# KiCad board iMX6_BareBones.kicad_pcb (continued)
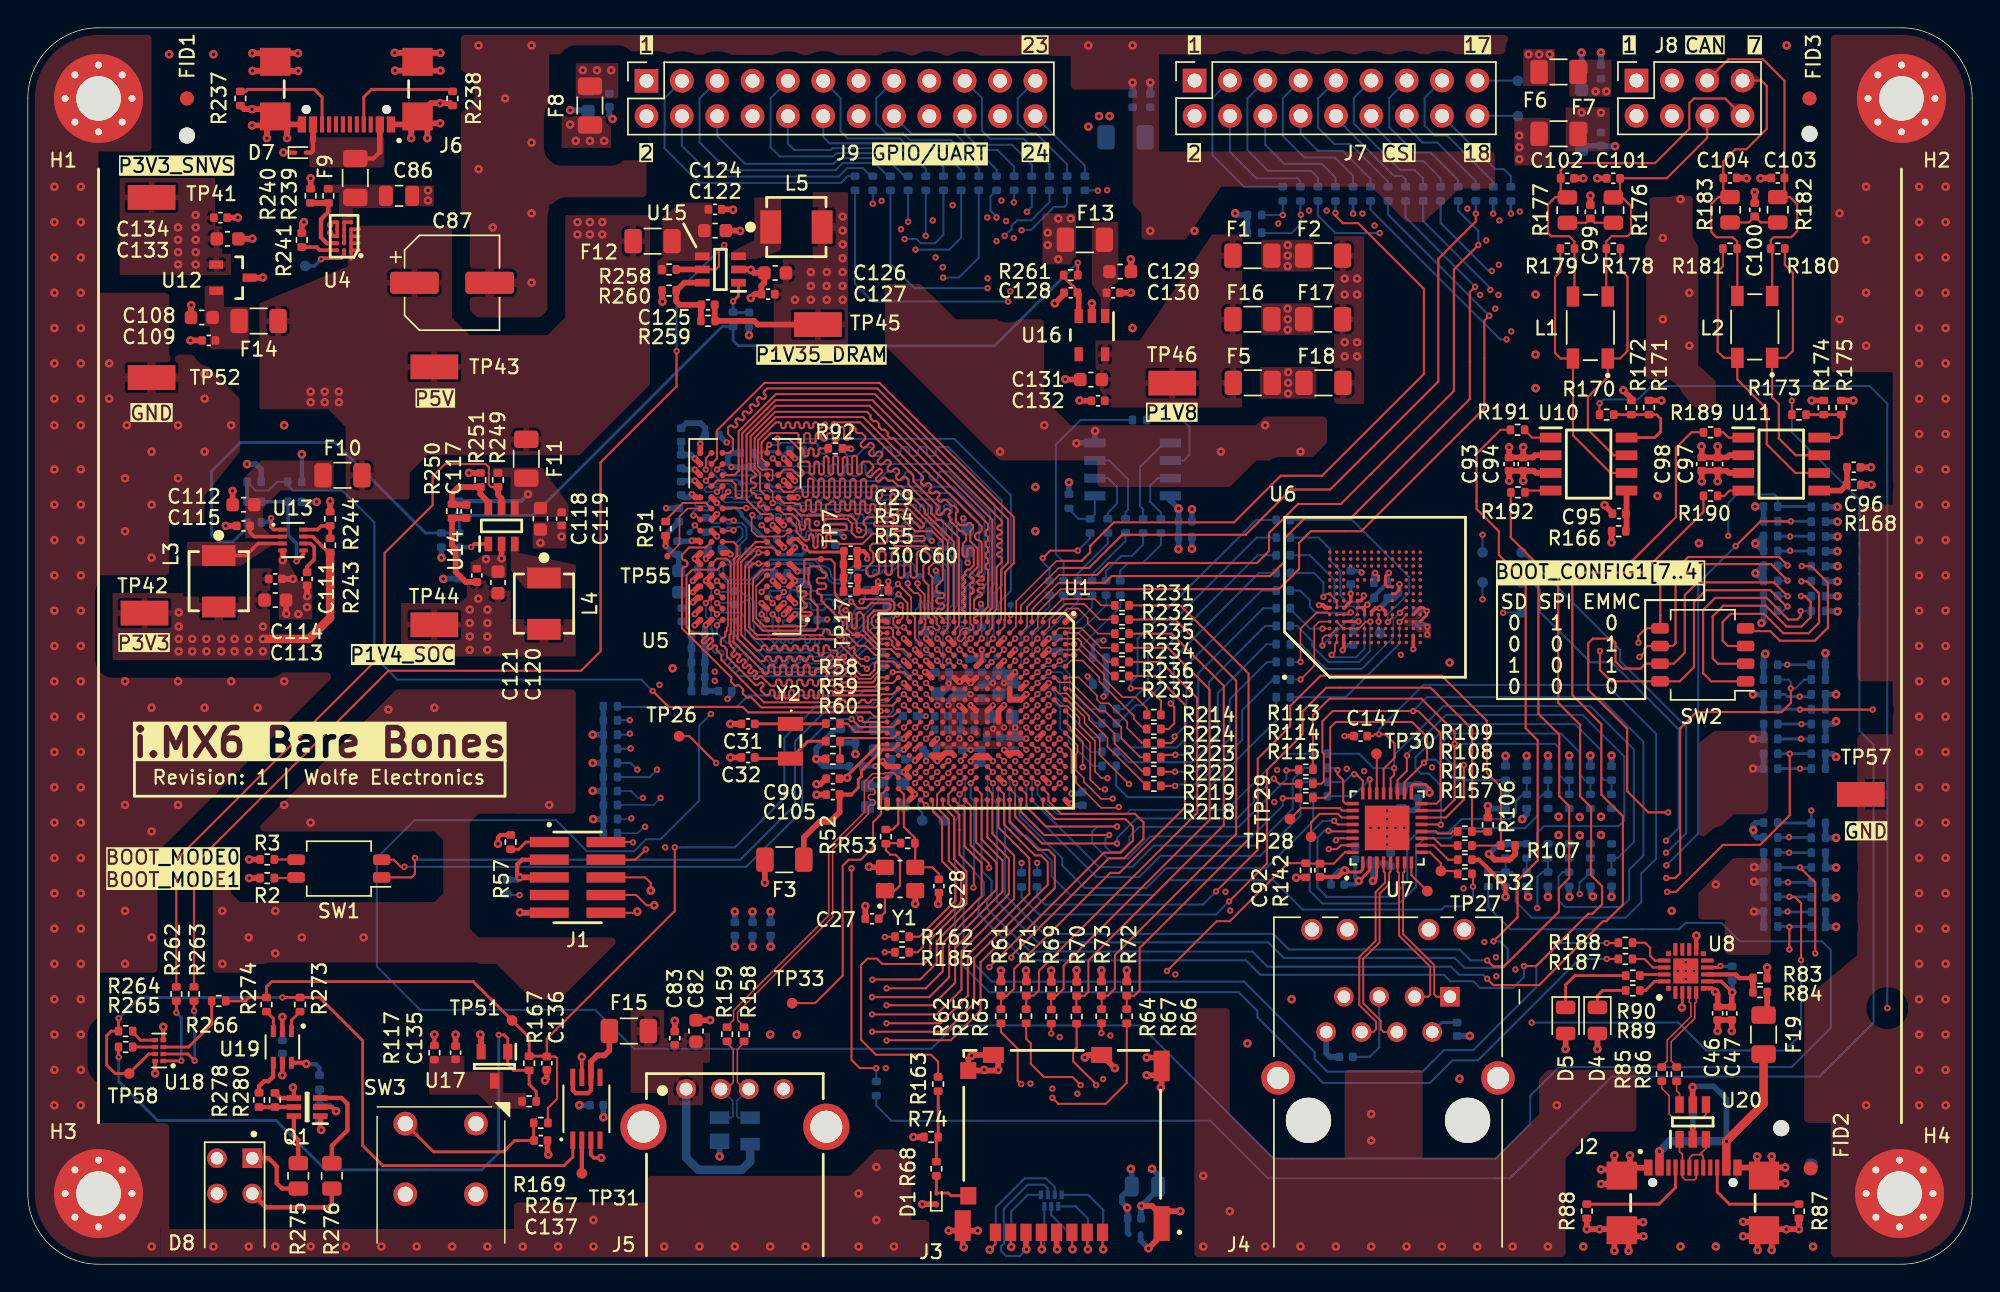
[diagram p0: board, top side]
## Routing (per net, layer and track width the routed paths; a pad name or vN(x,y) marks a point on that pad's centre or on a via; arc(x,y) is an arc through that point) (continued)
P1V4_SOC: length 8.5
  Top w0.406: C117.2 31.49,53.64 R250.2 30.48,51.69 30.73,51.44 30.73,49.78 31.47,49.05 C121.1 ; v3(66.93,40.17) 66.96,40.17 U1.K9 ; v3(69.34,40.19) U1.H9 ; v1(67.74,40.19) U1.J9
  Bottom w0.406: 69.23,39.41 69.26,39.38
  vias: v1(67.74,37.79) v2(31.75,47.07) v2(31.75,46.1) v2(31.75,45.14) v2(31.75,44.17) v2(32.36,47.85) v2(33.02,47.07) v2(33.02,46.1) v2(33.02,45.14) v2(33.02,44.17)
P1V8_EMMC_IO: length 3.4
  Top w0.254: v1(95.05,48.21) 95.05,47.65 94.6,47.2 U6.C6
  Bottom w0.254: v1(95.05,48.21) C40.1
  Bottom w0.305: C41.1 100.35,46.03 v1(100.56,45.82) v1(100.56,45.26)
  vias: v2(90.55,64.13) v2(90.55,63.37) v2(90.55,62.61)
P1V35_DRAM: length 44
  Top w0.305: v1(61.83,49.08) 61.83,49.08 C60.2 ; C29.1 60.06,51.27 60.31,51.02 v1(60.31,50.74)
  Top w0.406: U5.A8 v1(48.72,45.94) ; v1(50.48,51.04) 50.38,51.14 U5.G7 ; U5.E9 48.2,49.54 v1(47.78,49.12) ; U1.J6 v1(67.74,41.79) U1.K6 67,41.85 66.98,41.85 v1(66.94,41.88) 66.9,41.85 66.88,41.85 U1.L6 ; U5.D9 48.2,48.74 v1(47.78,48.32) ; U5.C1 v1(55.12,47.54) ; U5.D2 v1(53.52,49.14) ; U5.A1 v1(55.12,46.74) ; U5.H2 v1(54.32,51.54) ; U5.N9 v1(47.92,56.34) ; U5.H9 48.22,52.03 v1(47.71,52.03) ; U5.B2 v1(54.32,47.54) ; C29.1 59.59,50.33 59.62,50.3 ; C125.2 49.35,67.86 R259.2 52.19,67.83 52.45,67.56 TP45.1 ; v1(47.78,47.59) 48.13,47.94 U5.C9 ; U5.K8 v1(49.52,53.94) ; U5.R1 v1(54.32,57.94) ; U5.K2 v1(54.32,53.14) ; v1(55.3,49.82) 54.79,50.34 U5.F1 ; U5.R9 v1(47.92,57.94) ; U5.N1 v1(54.32,56.34)
  Bottom w0.203: 52.91,57.37 C66.2 ; 52.15,58.14 C65.2 52.59,58.33 52.68,58.42 53.92,58.42 54.32,58.02 v1(54.32,57.94)
  Bottom w0.305: 52.15,58.14 52.91,57.37
  Bottom w0.406: 46.89,52 46.92,51.98 47.71,51.98 ; 53.55,49.69 53.55,49.17 v1(53.52,49.14) ; C67.2 C72.2 47.63,58.2 47.9,57.94 v1(47.92,57.94) ; C58.2 55.37,46.74 v1(55.12,46.74) ; v1(67.52,50.43) C1.1 ; C68.2 53.83,52.02 v1(54.32,51.54) ; v1(50.48,51.04) 50.1,51.42 C69.2 ; v1(50.22,59.09) 50.17,59.09 C64.2 ; v1(48.72,45.94) 48.64,45.86 C11.1 C13.1 ; C62.2 47.01,56.34 v1(47.92,56.34) ; v1(55.3,49.82) 55.33,49.84 C53.2 ; C52.2 54.32,58.1 v1(54.32,57.94)
  vias: v1(49.36,42.61) v1(49.36,41.95) v2(55.12,69.34) v2(56.26,71.34) v2(56.26,70.34) v2(56.26,69.34) v2(57.4,71.34) v2(57.4,70.34) v2(57.4,69.34) v2(58.55,75.33) v2(58.55,74.33) v2(58.55,73.33) v2(58.55,72.34) v2(58.55,71.34) v2(58.55,70.34) v2(58.55,69.34)
P3V3: length 113.8
  Top w0.203: v1(97.79,49.71) 97.54,49.46 U6.J10 97.54,48.86 97.7,48.7 U6.K9 ; 96.04,47.02 95.86,47.2 95.83,47.2 ; 96.04,47.02 U6.F5 ; 96.04,47.02 96.04,47.23 v1(96.24,47.42) 96.02,47.2 95.83,47.2 ; v2(100.71,33.91) 100.71,34.21 100.43,34.49 99.54,34.49 99.41,34.36 U7.17 ; U7.3 96.91,27.82 v2(96.65,27.56) ; 95.83,47.2 U6.E6
  Top w0.254: U13.7 20.46,52.32 21.6,51.18 21.72,51.18 ; v2(122.45,19.56) 121.68,20.33 U8.7
  Top w0.305: R57.1 33.96,30.86 33.78,30.68 v2(33.78,30.23) ; R117.2 v2(29.21,16.51) ; 67.95,36.39 67.95,36.39 69.12,36.39 ; 67.95,36.39 67.74,36.19 v1(67.74,36.17) ; 67.95,36.39 U1.J13 U1.H13 68.94,36.57 69.12,36.39 ; 69.12,36.39 v1(69.34,36.17) ; R142.2 91.16,27.81 v2(91.14,27.79) ; U8.6 120.99,19.83 v2(121.23,19.58) ; U19.5 v2(18.29,13.59) ; U18.8 v2(9.14,13.72)
  Top w0.406: U1.C4 v1(73.34,44.19) ; v2(73.52,21.11) 73.53,21.1 73.53,20.32 ; U1.M13 65.34,36.19 v1(65.34,36.17) 64.94,36.57 U1.N13 U1.M13 ; U1.M13 65.93,36.77 66.36,36.77 U1.L13 ; R106.2 v2(104.9,32.94) ; R172.2 117.37,62.11 v2(117.37,62.1) ; v2(77.13,21.13) 77.15,21.11 77.15,20.32 ; R107.2 106.86,29.47 106.48,29.08 105.38,29.08 v2(104.98,29.49) ; v2(15.91,29.1) 15.91,29.1 R3.1 ; 38.99,81.91 v2(38.96,81.94) ; R74.2 v2(63.63,9.14) ; v2(121.23,19.58) 121.41,19.41 C46.2 C47.2 122.43,19.53 v2(122.45,19.56) ; v2(73.96,1.07) 73.92,1.11 J3.P4 ; R61.2 v2(69.92,21.11) ; D4.2 v2(112.78,15.47) ; D5.2 v2(110.49,15.47) ; R174.2 131.16,62.11 v2(131.17,62.1) ; R2.1 v2(15.9,27.76) ; v1(70.14,36.99) U1.F13 70.73,36.77 71.16,36.77 U1.E13 ; R166.1 113.79,51.89 v2(113.79,51.89) ; 71.72,20.32 71.72,21.1 v2(71.72,21.11) ; R168.1 v2(132.46,56.03) ; 75.34,20.32 75.34,21.12 v2(75.35,21.13) ; R72.2 v2(78.96,21.13)
  Top w0.61: v2(16.89,44.96) 20.19,44.96 21.72,46.48 21.72,51.05
  Bottom w0.203: 66.13,36.95 v1(65.34,36.17)
  Bottom w0.305: C146.2 v2(18.29,13.59) ; C42.2 96.73,48.04 C43.2 96.72,47.9 v1(96.24,47.42) ; C9.1 60.88,35.79 v1(60.91,35.81) ; 68.45,35.97 C6.1 67.88,36.03 v1(67.74,36.17)
  Bottom w0.406: C44.2 73.45,44.08 v1(73.34,44.19) ; v2(129.92,24.26) R20.1 129.16,24.26 R21.1 ; R75.2 v2(74.8,56.21) ; 111.43,32.23 v2(111.51,32.16) ; R27.1 R26.1 v2(129.92,30.66) ; C34.1 v2(53.37,25.35) ; v2(96.65,27.56) C77.1 97.7,28.82 C78.1 ; v1(70.14,36.99) 70.18,36.95 C88.2 ; v2(79.25,6.86) 79.31,6.79 C36.1 78.61,4.89 78.61,4.44 v2(78.99,4.06) 79.02,4.04 C35.1 79.02,2.25 D2.2 ; 110.03,32.23 v2(109.98,32.18) ; v2(129.92,36.47) 129.69,36.7 R13.1 R12.1 ; R11.1 v2(130.02,54.46) ; v2(129.92,39.04) 129.72,38.84 R15.1 R14.1 ; R5.1 v2(130.02,48.03) ; C76.1 98.98,34.48 C75.1 100.14,34.48 v2(100.71,33.91) ; v2(129.92,26.37) 129.9,26.39 R22.1 R23.1 ; C84.2 v2(52.07,25.35) ; v1(97.79,49.71) 97.69,49.6 C42.2 ; 66.13,36.99 66.13,36.95 ; R8.1 v2(130.02,51.26) ; R7.1 v2(130.02,50.19) ; v2(129.16,43.94) 129.16,43.94 R18.1 ; 86.87,75.44 R271.2 R272.2 ; R9.1 v2(130.02,52.32) ; R138.2 R140.2 105.71,30.22 v2(104.98,29.49) ; v2(129.92,28.52) R24.1 R25.1 ; R82.2 v2(122.45,19.56) ; v2(104.9,32.94) 105.08,32.77 R122.2 ; U3.8 82.09,54.92 v2(82.68,54.33) 82.68,53.42 C38.1 C37.1 82.68,51.41 v2(82.68,51.41) ; v2(130.02,46.94) 130,46.96 R4.1 ; R6.1 v2(130.02,49.1) ; R16.1 129.16,40.96 R17.1 v2(129.92,40.97) ; R120.2 107.7,32.33 v2(107.37,32) ; C91.2 75.64,33.83 v1(74.98,33.83) ; R10.1 v2(130.02,53.39) ; C85.2 v2(50.8,25.35)
  Bottom w0.61: 82.68,54.33 v2(82.68,54.33)
  vias: v2(10.85,46.86) v2(10.85,45.85) v2(10.85,44.96) v2(10.85,44.07) v2(11.81,44.96) v2(11.81,44.07) v2(12.83,44.96) v2(12.83,44.07) v2(13.89,44.96) v2(13.89,44.07) v2(14.86,44.96) v2(14.86,44.07) v2(15.88,44.96) v2(15.88,44.07) v2(16.89,45.85) v2(16.89,44.07) v2(39.37,80.77) v2(40.39,80.77) v2(41.4,80.77) v2(73.28,74.17) v2(73.28,73.28) v2(74.04,75.18) v2(74.04,72.26) v2(74.93,75.18) v2(76.2,81.79) v2(76.96,82.55) v2(77.72,82.55) v2(86.74,75.57) v2(94.61,70.87) v2(94.61,69.72) v2(94.61,66.29) v2(94.61,65.28) v2(95.5,70.87) v2(95.5,69.72) v2(95.5,66.29) v2(95.5,65.28) v2(107.82,87) v2(108.59,87) v2(109.35,87) v2(109.98,30.86) v2(111.51,30.84) v2(113.03,32.18) v2(113.03,30.86)
P3V3_CAN:
  vias: v2(112.65,84.33) v2(113.41,84.33)
P3V3_EXT:
  vias: v2(39.88,85.85) v2(40.89,85.85) v2(41.91,85.85)
P3V3_SNVS: length 2.4
  Top w0.305: U1.P12 64.1,37.39 v4(63.71,37)
  Bottom w0.406: C14.1 59.41,37.49 R282.1 59.46,37.44 v2(59.46,36.68)
  vias: v2(10.79,74.55) v2(10.79,73.66) v2(10.79,72.77) v2(10.79,71.88) v2(12.06,75.44) v2(12.06,74.55) v2(12.06,73.66) v2(12.06,72.77) v2(12.06,71.88)
P5V: length 23.8
  Top w0.203: v2(58.88,34.97) 58.88,35.13 61.14,37.39 U1.U12
  Top w0.254: 23.81,74.41 U4.D1 U4.A1 ; 23.8,72.92 23.79,72.91 U4.A1 ; 23.77,73.43 23.76,73.41 U4.B1 ; U4.A1 23.22,72.28 ; U9.7 39.81,14.9 v2(39.8,14.91) ; U4.C1 23.77,73.91
  Top w0.305: v2(58.88,34.97) 58.88,34.92 58.88,34.91 C105.2
  Top w0.406: C94.1 C93.1 106.43,56.34 v2(106.44,56.33) ; C94.1 v2(107.44,56.34) ; C94.1 108.2,57.05 108.36,56.9 U10.3 ; v2(52.96,27.43) 52.96,29.08 F3.2 ; C98.1 v2(120.27,56.29) ; C97.1 v2(121.41,56.3) ; C97.1 120.4,57.05 ; C97.1 122.07,57.05 122.22,56.9 U11.3
  Bottom w0.305: R246.2 19.68,56.26 v2(19.68,58.24)
  Bottom w0.406: C81.2 v2(39.62,11.43)
  vias: v2(20.32,62.74) v2(20.32,61.98) v2(21.34,62.74) v2(21.34,61.98) v2(22.35,62.74) v2(22.35,61.98) v2(39.5,74.93) v2(39.5,74.04) v2(40.39,74.93) v2(40.39,74.04) v2(41.28,74.93) v2(41.28,74.04) v2(107.16,81.15) v2(107.16,80.31) v2(107.16,79.45)
P5V_BUCK1V4_VIN: length 5.2
  Bottom w0.305: R252.2 35.43,54.87 v2(35.94,55.37)
P5V_BUCK3V3_VIN: length 2.9
  Top w0.254: U13.2 16.26,52.32 15.97,52.61 C115.1
P5V_CAN:
  vias: v2(111.63,82.8) v2(113.03,82.8)
P5V_DEBUG: length 1.8
  Top w0.406: F19.1 124.97,18.17 R84.2
P5V_DEBUG_VBUS: length 23.6
  Top w0.406: v2(119.61,12.73) 119.61,11.5 U20.5
  Top w0.61: F19.2 124.71,11.53 122.03,8.85 J2.B4/A9 ; v2(117.23,8.1) J2.A4/B9
  Bottom w0.406: v2(122.05,8.84) 122.05,11.87 121.13,12.79 119.67,12.79 v2(119.61,12.73) 119.63,12.7 C150.2
  Bottom w0.61: v2(117.23,8.1) 117.25,8.1 117.98,8.84 v2(122.05,8.84)
P5V_USB_HOST: length 11.4
  Bottom w0.61: J5.1 47.3,7.67 48.18,6.78 51.28,6.78 51.9,7.4 D6.4
P5V_USB_HOST_LS: length 7.5
  Top w0.305: U9.6 40.46,12.52 40.23,12.29 39.37,12.29 39.16,12.51 U9.8
  Top w0.406: F15.2 41.78,15.36 41.43,15.01 40.92,15.01 40.46,14.55 U9.6
P5V_USB_OTG1: length 12.5
  Top w0.203: 59.17,33.77 59.66,34.26 59.66,34.85 59.89,35.08 59.89,35.48 61.39,36.98 62.14,36.98 U1.T12
  Top w0.305: C90.2 59.17,33.77
  Top w0.406: F3.1 55.76,30.69 56.87,31.8 57.63,31.8 58.32,32.49 C90.2
P5V_VBUS: length 6.4
  Top w0.305: 20.49,80.78 20.49,80.08 20.34,79.93 D7.2 ; 25.29,79.96 24.83,79.5 F9.2
  Top w0.406: J6.B4/A9 20.49,80.78 ; J6.A4/B9 25.29,79.96
P5V_VBUS_OVLO: length 2
  Top w0.254: U4.B2 U4.E2 U4.E1
/Signal_Map/BootMode/BOOT_MODE0: length 44.7
  Top w0.152: SW1.2 26.29,29.08 26.8,28.58 v1(27.05,28.58) ; U1.T10 62.18,38.62 59.76,38.62 v1(59.19,39.19)
  Bottom w0.152: v1(59.19,39.19) 59.18,39.18 57.73,39.18 55.63,37.08 55.63,32.59 51.61,28.58 v1(27.05,28.58)
/Signal_Map/BootMode/BOOT_MODE1: length 45
  Top w0.152: v1(27.81,29.21) 27.81,28.07 27.56,27.81 SW1.1 ; U1.U10 60.96,38.99 60.96,38.99 60.05,38.99 v1(59.82,39.22)
  Bottom w0.152: v1(27.81,29.21) 27.94,29.08 51.18,29.08 55.12,33.02 55.12,37.59 57.28,39.75 59.28,39.75 v1(59.82,39.22)
/Signal_Map/BootMode/LCD_DATA00: length 65.5
  Top w0.114: v1(73.34,39.39) U1.B9
  In3.Cu w0.114: 74.65,39.52 74.52,39.39 v1(73.34,39.39)
  In3.Cu w0.152: v1(122.17,52.37) 113.21,43.41 113.21,42.04 111.41,40.23 89.41,40.23 88.72,40.92 81.15,40.92 80.49,40.26 75.39,40.26 74.65,39.52
  Bottom w0.152: v1(122.17,52.37) 122.17,54.74 122.78,55.35 125.5,55.35 125.73,55.12 R28.2 ; 128.12,54.48 R11.2
  Bottom w0.203: R28.2 128.12,54.48
/Signal_Map/BootMode/LCD_DATA01: length 91.7
  Top w0.114: U1.A9 75.23,39.09 75.23,38.58 76.33,37.49 76.33,34.85 77.04,34.14 v1(77.39,34.14)
  Top w0.152: v1(126.67,53.42) 124.49,53.42 v1(122.71,51.64)
  In3.Cu w0.114: v1(77.39,34.14) 78.82,34.14 78.94,34.01 79.15,34.01 80.29,32.87 80.29,32.74 80.42,32.61
  In3.Cu w0.152: v1(117.73,28.68) 117.3,28.68 114.02,25.4 112.17,25.4 108.76,22 106.68,22 105.89,21.21 92.68,21.21 89.99,23.9 89.99,30.15 89.18,30.96 82.07,30.96 80.42,32.61
  Bottom w0.152: v1(122.71,51.64) 120.01,48.95 120.01,30.96 v1(117.73,28.68)
  Bottom w0.203: R10.2 128.11,53.42 R29.2
/Signal_Map/BootMode/LCD_DATA02: length 71
  Top w0.114: U1.E10 v1(71.74,39.39)
  In3.Cu w0.114: 79.6,44.98 78,44.98 77.65,45.34 76.86,45.34 76.5,44.98 74.6,44.98 73.74,44.12 73.74,43.18 73.51,42.96 71.53,42.96 71.35,42.78 71.35,42.4 70.97,42.01 70.97,39.83 71.41,39.39 v1(71.74,39.39)
  In3.Cu w0.152: v1(126.62,52.32) 125.12,53.82 102.97,53.82 100.58,51.44 100.58,49.66 99.14,48.21 99.14,45.67 98.7,45.24 80.14,45.24 79.88,44.98 79.6,44.98
  Bottom w0.152: v1(126.62,52.32) 126.64,52.35 ; 125.76,52.32 R30.2 ; 128.12,52.35 R9.2
  Bottom w0.203: R30.2 128.12,52.35
/Signal_Map/BootMode/LCD_DATA03: length 70.4
  Top w0.114: U1.D10 v1(72.54,39.39)
  In3.Cu w0.114: v1(72.54,39.39) 72.54,39.42 72.16,39.8 72.16,39.8 71.55,39.8 71.3,40.06 71.3,41.9 71.58,42.18 73.65,42.18 74.73,43.26 74.73,44.02 74.91,44.2 75.85,44.2 75.95,44.3 80.09,44.3
  In3.Cu w0.152: v1(126.62,51.31) 124.71,53.21 103.38,53.21 101.27,51.1 101.27,49.02 99.75,47.5 99.75,45.44 98.93,44.63 95.07,44.63 94.76,44.94 92.67,44.94 92.18,44.45 81.08,44.45 80.92,44.3 80.09,44.3
  Bottom w0.152: 125.77,51.31 R31.2 ; v1(126.62,51.31) 126.64,51.31 126.67,51.28 ; 128.12,51.28 R8.2
  Bottom w0.203: R31.2 128.12,51.28
/Signal_Map/BootMode/LCD_DATA04: length 63.8
  Top w0.114: U1.C10 v1(72.54,38.59)
  Top w0.152: v1(115.72,44.68) 115.72,45.19 116.26,45.72 117.29,45.72 117.29,46.63 117.3,46.63 117.3,48.84 119.3,50.85 125.83,50.85 v1(126.44,50.24)
  In3.Cu w0.114: 74.88,39.12 74.76,39 73.11,39 72.7,38.59 v1(72.54,38.59)
  In3.Cu w0.152: v1(115.72,44.68) 115.72,44.65 114.12,43.05 114.12,41.83 111.91,39.62 100.58,39.62 100.15,39.19 98.93,39.19 98.37,39.75 75.51,39.75 74.88,39.12
  Bottom w0.152: v1(126.44,50.24) 125.76,50.24 R32.2
/Signal_Map/BootMode/LCD_DATA05: length 63.5
  Top w0.114: U1.B10 v1(73.34,38.59)
  Top w0.152: v1(126.44,49.15) 125.25,50.34 119.84,50.34 118.39,48.89 118.39,44.65 118.19,44.45 116.36,44.45 116.15,44.25 116.15,44.02 v1(115.8,43.66)
  In3.Cu w0.114: 75.21,38.76 75.04,38.59 v1(73.34,38.59)
  In3.Cu w0.152: 75.21,38.76 75.69,39.24 97.89,39.24 98.42,38.71 100.61,38.71 100.84,38.94 112.19,38.94 114.91,41.66 114.91,42.77 v1(115.8,43.66)
  Bottom w0.152: v1(126.44,49.15) 125.76,49.15 R33.2
/Signal_Map/BootMode/LCD_DATA06: length 86.2
  Top w0.114: U1.A10 74.9,38.62 74.9,38.46 75.79,37.57 v1(75.79,35.74)
  Top w0.152: v1(117.86,32.49) 116.43,32.49 114.91,34.01 114.91,38.51 112.12,41.3 112.12,44.65 112.45,44.98 113.77,44.98 114.07,44.68 114.07,43.33 114.58,42.82 115.87,42.82 116.23,43.18 118.26,43.18 119.05,43.97 119.05,48.11 119.96,49.02 125.45,49.02 v1(126.44,48.03)
  In3.Cu w0.152: v1(75.79,35.74) 79.55,35.74 82.02,33.27 88.65,33.27 89.41,34.04 90.83,34.04 91.08,33.78 99.62,33.78 100.15,33.25 101.45,33.25 102.34,34.14 116.2,34.14 v1(117.86,32.49)
  Bottom w0.152: v1(126.44,48.03) 125.76,48.03 R34.2
/Signal_Map/BootMode/LCD_DATA07: length 68
  Top w0.114: U1.D11 v1(71.74,38.59)
  Top w0.152: 117.27,41.88 117.29,41.91 ; 117.29,41.91 118.69,41.91 119.71,42.93 119.71,47.6 120.57,48.46 125.2,48.46 126.36,47.29 v1(126.44,47.29) ; 117.29,41.91 113.77,41.91 112.95,42.72 v1(112.95,44.09)
  In3.Cu w0.114: v1(71.74,38.59) 72.15,39 72.7,39 72.95,39.25 72.95,39.55 73.2,39.8 74.04,39.8 74.04,39.8
  In3.Cu w0.152: v1(112.95,44.09) 112.47,43.61 112.47,42.32 110.92,40.77 89.79,40.77 89.1,41.45 80.37,41.45 79.73,40.82 78.97,40.82 78.46,41.33 75.82,41.33 74.29,39.8 74.04,39.8
  Bottom w0.152: v1(126.44,47.29) 126.14,46.99 R35.2 125.76,47.02
/Signal_Map/BootMode/LCD_DATA08: length 58.6
  Top w0.114: U1.B11 v1(73.34,37.79)
  In3.Cu w0.114: v1(73.34,37.79) 73.81,38.25 75.39,38.25 75.54,38.4
  In3.Cu w0.152: v1(126.42,43.1) 126.39,43.13 117.37,43.13 112.6,38.35 101.19,38.35 101.09,38.25 97.99,38.25 97.56,38.68 75.82,38.68 75.54,38.4
  Bottom w0.203: R19.2 R36.2
/Signal_Map/BootMode/LCD_DATA09: length 83.4
  Top w0.114: v1(77.95,33.48) 77.93,33.45 77.11,33.45 75.87,34.7 75.87,34.95 75.3,35.52 75.3,36.72 75.41,36.83 75.41,37.32 U1.A11
  Top w0.152: v1(126.67,41.4) 126.67,40.36 126.01,39.7 119.94,39.7 119.91,39.73 118.72,38.53 118.72,28.12 118.36,27.76 v1(117.73,27.76)
  In3.Cu w0.114: v1(77.95,33.48) 79.04,33.48 79.88,32.64
  In3.Cu w0.152: 79.88,32.64 82.27,30.25 88.72,30.25 89.38,29.59 89.38,23.85 92.43,20.8 103.91,20.8 104.17,20.55 104.17,20.29 104.47,19.99 107.54,19.99 112.5,24.94 114.91,24.94 v1(117.73,27.76)
  Bottom w0.143: v1(126.67,41.4) 127,41.4 127.63,42.04 R18.2
  Bottom w0.152: R37.2 126.49,42.04 126.67,41.86 v1(126.67,41.4)
/Signal_Map/BootMode/LCD_DATA10: length 118.7
  Top w0.114: U1.E12 v1(71.74,36.99)
  In3.Cu w0.114: 72.82,32.44 71.35,33.91 71.35,36.59 v1(71.74,36.99)
  In3.Cu w0.152: v1(127.3,40.82) 126.62,40.13 126.62,37.64 127.1,37.16 131.7,37.16 133.07,35.79 133.07,22.56 124.61,14.1 117.6,14.1 109.45,5.94 90.91,5.94 85.06,11.79 85.06,23.62 83.24,25.45 77.6,25.45 74.27,28.78 74.27,30.99 72.82,32.44
  Bottom w0.203: R38.2 126.26,40.97 126.42,40.82 v1(127.3,40.82) 128.04,40.82 128.14,40.91 R17.2
/Signal_Map/BootMode/LCD_DATA11: length 122.7
  Top w0.114: U1.D12 v1(72.54,36.99)
  Top w0.152: v1(132.56,39.88) v1(127.33,39.88)
  In3.Cu w0.114: v1(72.54,36.99) 72.15,37.38 71.26,37.38 70.55,36.67 70.55,33.89 71.04,33.4
  In3.Cu w0.152: v1(132.56,39.88) 133.88,38.56 133.88,22.07 125.25,13.44 118.16,13.44 109.85,5.13 90.25,5.13 84.1,11.28 84.1,23.6 82.85,24.84 77.17,24.84 73.71,28.3 73.71,30.73 71.04,33.4
  Bottom w0.203: R16.2 R39.2
/Signal_Map/BootMode/LCD_DATA12: length 69.8
  Top w0.114: U1.C12 v1(73.34,36.99)
  In3.Cu w0.114: 75.56,37.39 73.74,37.39 v1(73.34,36.99)
  In3.Cu w0.152: 75.56,37.39 81.36,37.39 81.66,37.08 83.44,37.08 83.52,37.01 98.5,37.01 98.7,37.21 99.47,37.21 99.72,36.96 105.16,36.96 105.38,37.19 113.33,37.19 118.08,41.94 130.28,41.94 130.94,41.28 130.94,38.68 130.63,38.38 127.89,38.38 v1(127.43,38.84)
  Bottom w0.203: R40.2 R15.2
/Signal_Map/BootMode/LCD_DATA13: length 70.7
  Top w0.114: U1.B12 v1(74.14,37.79)
  In3.Cu w0.114: 75.69,37.8 75.68,37.79 v1(74.14,37.79)
  In3.Cu w0.152: v1(127.41,37.77) 130.84,37.77 131.42,38.35 131.42,41.55 130.53,42.44 117.6,42.44 112.9,37.74 103.35,37.74 103.17,37.92 102.01,37.92 101.83,37.74 97.87,37.74 97.49,37.36 93.85,37.36 93.5,37.72 83.29,37.72 83.06,37.49 81.99,37.49 81.69,37.8 75.69,37.8
  Bottom w0.203: R41.2 R14.2
/Signal_Map/BootMode/LCD_DATA14: length 76
  Top w0.114: U1.A12 74.98,36.95 74.98,35.36 75.31,35.03 75.31,34.62 77.11,32.82 78.33,32.82 v1(78.38,32.87)
  Top w0.152: v1(126.59,36.7) 126.59,32.28 124.46,30.15 121.79,30.15 118.41,26.77 v1(117.78,26.77)
  In3.Cu w0.114: 80.37,31.57 79.07,32.87 v1(78.38,32.87)
  In3.Cu w0.152: v1(117.78,26.77) 115.37,24.36 112.75,24.36 107.98,19.58 104.29,19.58 103.48,20.4 91.97,20.4 88.87,23.5 88.87,29.06 88.39,29.54 82.4,29.54 80.37,31.57
  Bottom w0.203: R42.2 R13.2
/Signal_Map/BootMode/LCD_DATA15: length 107.2
  Top w0.114: U1.D13 72.14,36.57 v1(71.74,36.17)
  In3.Cu w0.114: v1(71.74,36.17) 72.14,35.78 72.14,33.99 74.73,31.39 74.73,31.19
  In3.Cu w0.152: v1(127.33,35.64) 128.22,34.75 130.63,34.75 132.08,33.3 132.08,23.27 123.7,14.88 116.92,14.88 108.99,6.96 91.08,6.96 85.95,12.09 85.95,23.83 83.69,26.09 77.83,26.09 74.73,29.18 74.73,31.19
  Bottom w0.203: R43.2 R12.2
/Signal_Map/BootMode/LCD_DATA16: length 96
  Top w0.114: U1.C13 72.94,36.57 v1(72.54,36.17)
  In3.Cu w0.114: v1(72.54,36.17) 72.93,35.78 72.93,35.25 73.2,34.98 74.98,34.98 75.23,34.72 76.02,34.72 76.2,34.54 76.2,33.86 76.53,33.53 76.53,33.25
  In3.Cu w0.152: v1(128.14,32.61) 128.17,32.64 130.17,32.64 131.32,31.5 131.32,24.05 130.51,23.24 124.05,23.24 122.76,24.54 119.23,24.54 118.52,23.83 113.33,23.83 108.97,19.46 108.97,17.04 107.81,15.89 104.46,15.89 103.89,15.32 92.41,15.32 87.76,19.96 87.76,28.14 87.53,28.37 78.31,28.37 76.53,30.15 76.53,33.25
  Bottom w0.203: R44.2 125.76,31.72 R27.2 v1(128.14,32.61)
/Signal_Map/BootMode/LCD_DATA17: length 60.5
  Top w0.114: v1(73.34,36.17) 73.74,36.57 U1.B13
  In3.Cu w0.114: 75.39,36.58 73.75,36.58 v1(73.34,36.17)
  In3.Cu w0.152: 75.39,36.58 80.39,36.58 82.07,34.9 83.44,34.9 84.61,36.07 93.62,36.07 93.73,36.17 96.85,36.17 97.92,35.1 104.19,35.1 104.37,35.28 117.22,35.28 119.89,32.61 125.43,32.61 126.54,31.5 v1(126.54,30.71)
  Bottom w0.203: R45.2 128.12,30.68 R26.2
/Signal_Map/BootMode/LCD_DATA18: length 62.2
  Top w0.114: v1(74.14,36.99) U1.A13
  In3.Cu w0.114: v1(74.14,36.99) 75.46,36.99 75.46,36.98
  In3.Cu w0.152: 75.46,36.98 81.03,36.98 81.91,36.09 83.41,36.09 83.85,36.53 98.27,36.53 98.83,35.97 99.42,35.97 100.05,36.6 105.08,36.6 105.77,35.92 117.47,35.92 120.17,33.22 125.68,33.22 127.2,31.7 127.2,30.25 v1(126.54,29.59)
  Bottom w0.152: 126.44,29.62 R46.2
  Bottom w0.203: R25.2 v1(126.54,29.59) 125.76,29.59 R46.2
/Signal_Map/BootMode/LCD_DATA19: length 89.5
  Top w0.114: U1.D14 v1(72.54,35.39)
  Top w0.152: v1(128.42,22.35) 128.42,27.43 v1(127.33,28.52)
  In3.Cu w0.114: 75.29,32 72.95,34.34 72.95,34.8 72.77,34.98 72.62,34.98 72.54,35.05 v1(72.54,35.39)
  In3.Cu w0.152: v1(128.42,22.35) 128.42,20.75 123.27,15.6 116.43,15.6 108.71,7.87 101.6,7.87 100.36,9.12 100.36,10.46 97,13.82 92.07,13.82 86.64,19.25 86.64,24.31 84.05,26.9 77.95,26.9 75.29,29.57 75.29,32
  Bottom w0.203: R47.2 125.76,28.52 R24.2
/Signal_Map/BootMode/LCD_DATA20: length 62.3
  Top w0.114: U1.C14 v1(73.34,35.39)
  In3.Cu w0.114: v1(73.34,35.39) 73.73,35.78 75.02,35.78 75.5,35.3 75.98,35.3 76.11,35.43 79.3,35.43 79.58,35.15
  In3.Cu w0.152: 79.58,35.15 82.17,32.56 90.47,32.56 91.21,33.3 99.57,33.3 100.05,32.82 101.8,32.82 102.59,33.6 115.6,33.6 118.72,30.48 124.56,30.48 125.04,30 125.04,27.97 125.5,27.51 126.42,27.51 v1(126.47,27.46)
  Bottom w0.203: R48.2 125.76,27.46 R23.2
/Signal_Map/BootMode/LCD_DATA21: length 80.8
  Top w0.114: U1.B14 v1(74.14,35.39)
  Top w0.152: v1(126.57,26.42) 126.95,26.42 127.41,25.96 v1(127.41,21.87)
  In3.Cu w0.114: v1(74.14,35.39) 74.95,35.39 75.34,35 76.23,35 76.86,34.37 76.86,33.83 77.06,33.63 77.06,31.11
  In3.Cu w0.152: v1(108.05,17.37) 107.49,17.93 93.7,17.93 88.29,23.34 88.29,28.52 87.93,28.88 78.44,28.88 77.06,30.25 77.06,31.11
  Bottom w0.152: v1(127.41,21.87) 127.41,16.54 126.24,15.37 120.6,15.37 118.59,17.37 v1(108.05,17.37)
  Bottom w0.203: R49.2 128.12,26.42 R22.2
/Signal_Map/BootMode/LCD_DATA22: length 65.8
  Top w0.114: v1(74.14,36.17) 74.52,35.79 U1.A14
  In3.Cu w0.114: v1(74.14,36.17) 75.21,36.17
  In3.Cu w0.152: v1(126.44,25.35) 126.42,25.37 125.86,25.37 125.63,25.6 125.63,26.52 126.06,26.95 126.9,26.95 127.03,27.08 127.03,27.86 126.64,28.24 126.21,28.24 125.63,28.83 125.63,31.11 124.79,31.95 119.48,31.95 116.81,34.62 100.2,34.62 99.85,34.26 95.96,34.26 95.81,34.42 84.15,34.42 83.52,33.78 82.17,33.78 79.76,36.19 76.66,36.19 76.58,36.27 75.64,36.27 75.54,36.17 75.21,36.17
  Bottom w0.203: 128.14,25.32 125.76,25.32 R50.2
/Signal_Map/BootMode/LCD_DATA23: length 77.2
  Top w0.114: U1.B16 v1(74.14,34.59)
  Top w0.152: v1(126.57,22.63) v1(126.57,24.26)
  In3.Cu w0.114: v1(74.14,34.59) 74.74,34.59 74.94,34.39 75.44,34.39 75.9,33.93 75.9,32.31
  In3.Cu w0.152: 75.9,32.31 75.9,29.84 77.98,27.76 86.66,27.76 87.27,27.15 87.27,19.46 92.07,14.66 104.11,14.66 104.85,15.39 108.1,15.39 109.65,16.94 109.65,19.13 111.73,21.21 114.12,21.21 116,23.09 119.23,23.09 119.71,22.61 126.54,22.61 v1(126.57,22.63)
  Bottom w0.203: R51.2 128.12,24.28 R20.2
/Signal_Map/CAN/CAN1_H: length 18.5
  Top w0.152: U10.7 113.94,58.17 112.09,60.02 112.09,62.36 113.52,63.78 L1.1 114.4,65.13 114.94,65.66 114.94,70.99 114.43,71.5 R178.1
/Signal_Map/CAN/CAN1_H_CONN: length 20.1
  Top w0.152: J8.6 120.66,80.99 117.76,78.08 114.4,78.08 114.4,77.19 R176.2 114.55,76.71 115.19,76.07 115.19,74.17 114.94,73.91 113.79,73.91 113.41,73.53 R178.2 113.41,69.69 L1.2
/Signal_Map/CAN/CAN1_L: length 19.8
  Top w0.152: R179.1 110.11,71.37 109.73,70.99 109.73,65.53 110.13,65.13 L1.4 ; L1.4 111.02,65.32 ; L1.4 111.02,59.59 113.72,56.9 U10.6
/Signal_Map/CAN/CAN1_L_CONN: length 28.8
  Top w0.152: L1.3 111.13,69.69 R179.2 111.13,73.53 110.74,73.91 109.47,73.91 109.22,74.17 109.22,76.2 109.73,76.71 R177.1 110.14,77.19 C102.1 110.14,78.67 110.64,79.17 116.92,79.17 119.38,81.64 119.38,83.49 119.71,83.82 121.95,83.82 J8.8
/Signal_Map/CAN/CAN1_RXD: length 1.9
  Top w0.152: U10.4 107.7,55.63 R192.1
/Signal_Map/CAN/CAN1_STB: length 7.1
  Top w0.203: U10.8 116.89,59.44 117.32,59.87 117.32,60.78 117.02,61.08 R172.1 R171.2 113.95,61.08 R170.2
/Signal_Map/CAN/CAN1_STBY: length 165.4
  Top w0.143: R185.2 61.59,23.55 v1(61.57,23.52) ; R170.1 112.93,61.09 v1(112.93,61.9)
  In3.Cu w0.143: v1(61.57,23.52) 60.86,22.81 60.86,21.72 61.39,21.18 66.4,21.18 68.15,22.94 78.87,22.94 80.64,21.16 80.64,18.97 83.01,16.61 83.01,10.54 89.33,4.22 126.9,4.22 128.07,5.38 128.07,10.59 133.6,16.13 v1(133.6,18.42)
  Bottom w0.143: v1(112.93,61.9) 113.21,62.18 115.7,62.18 116.66,63.14 132.33,63.14 133.6,61.87 v1(133.6,18.42)
/Signal_Map/CAN/CAN1_TXD: length 2.1
  Top w0.143: U10.1 108.08,59.44 107.55,59.97 R191.1
/Signal_Map/CAN/CAN2_H: length 18.7
  Top w0.152: U11.7 127.03,58.17 125.81,59.39 125.81,61.85 125.33,62.33 L2.1 126.31,65.17 126.82,65.68 126.82,71.27 126.24,71.85 R180.1
/Signal_Map/CAN/CAN2_H_CONN: length 25.2
  Top w0.152: J8.5 122.19,86.64 124.66,86.64 126.21,85.09 C103.1 126.21,77.21 R182.2 126.6,76.73 127.13,76.2 127.13,74.27 126.7,73.84 125.43,73.84 125.22,73.63 R180.2 125.33,72.92 L2.2
/Signal_Map/CAN/CAN2_L: length 20.9
  Top w0.152: U11.6 127,56.9 124.94,58.95 124.94,61.49 122.83,63.61 L2.4 121.88,65.17 121.41,65.63 121.41,71.37 121.79,71.75 R181.1
/Signal_Map/CAN/CAN2_L_CONN: length 21.5
  Top w0.152: L2.3 122.83,73.01 122.81,73.03 122.81,73.53 122.5,73.84 121.34,73.84 120.95,74.22 120.95,76.23 121.46,76.73 R183.1 121.82,77.21 C104.1 121.82,79.3 122.68,80.16 123.47,80.16 124.94,81.64 124.94,84.71 124.54,85.11 J8.7
/Signal_Map/CAN/CAN2_RXD: length 2
  Top w0.152: R190.1 121.89,55.25 122.28,55.63 U11.4
/Signal_Map/CAN/CAN2_STB: length 5.6
  Top w0.203: R173.2 127.77,61.08 R175.2 R174.1 130.3,59.69 130.05,59.44 U11.8
/Signal_Map/CAN/CAN2_STBY: length 127.3
  Top w0.143: R173.1 126.75,61.09 v1(126.75,62.08)
  Bottom w0.143: R186.2 60.96,11.4 62.05,10.31 84.96,10.31 89.1,6.17 106.48,6.17 113.79,13.49 128.73,13.49 132.61,17.37 132.61,37.34 131.6,38.35 131.6,54.97 126.75,59.82 v1(126.75,62.08)
/Signal_Map/CAN/CAN2_TXD: length 2
  Top w0.152: U11.1 122.2,59.44 121.82,59.82 R189.1
/Signal_Map/Connectors/CP2102N_RXT: length 1.8
  Top w0.152: 115.91,20.83 R90.2
  Top w0.203: U8.19 115.91,20.83
/Signal_Map/Connectors/CP2102N_RXT_R: length 6.2
  Top w0.203: R90.1 111.15,20.75 110.49,20.09 D5.1